# KiCad board AmigaPCI Mainboard.kicad_pcb (continued)
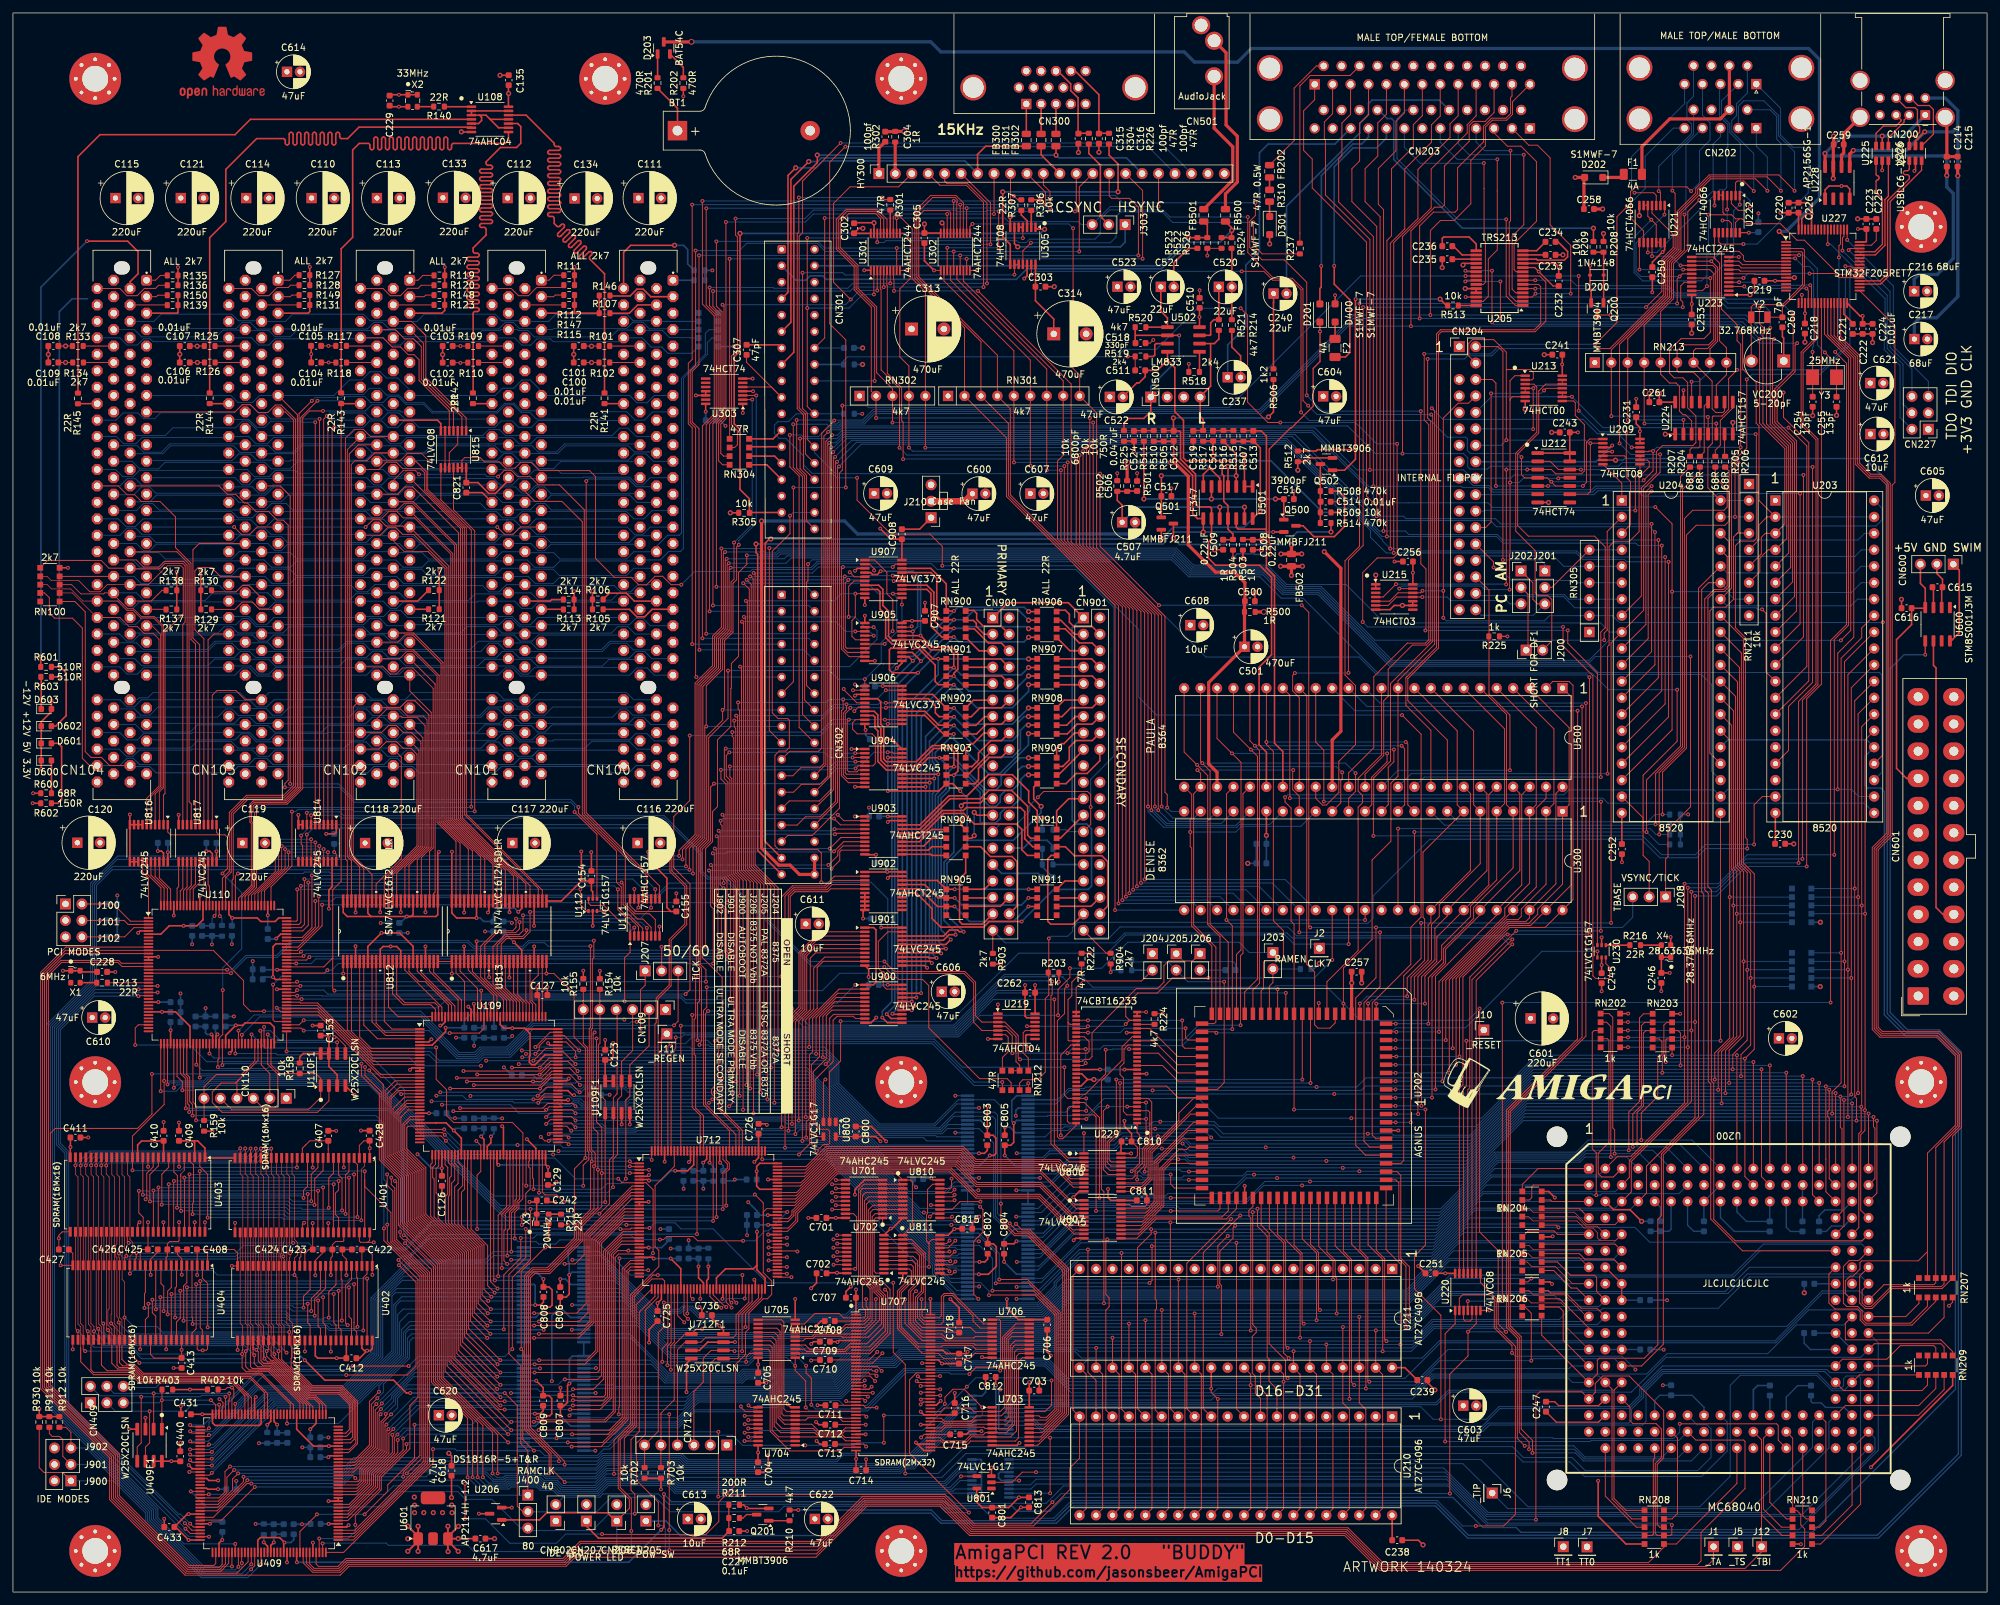
[diagram p0: board, top side]
## Routing (per net, layer and track width the routed paths; a pad name or vN(x,y) marks a point on that pad's centre or on a via; arc(x,y) is an arc through that point) (continued)
/IDE Interface/_CS0S: length 17.6
  Top w0.25: RN910.5 160.3,113.75 159.78,113.23 159.78,103.57 160.21,103.14 163.7,103.14 CN901.37
/IDE Interface/_CS1P: length 17.4
  Top w0.25: RN904.6 149.41,115.09 150.92,113.58 154.24,113.58 155.02,112.8 155.02,105.92 CN900.38
/IDE Interface/_CS1S: length 17.4
  Top w0.25: CN901.38 169.03,105.93 169.03,112.79 168.12,113.7 163.88,113.7 162.49,115.09 RN910.6
/IDE Interface/_DIORP: length 8.1
  Top w0.25: CN900.25 148.85,119.96 v1(148.42,120.39) ; RN904.7 148.03,116.41 v1(148.42,116.8)
  Bottom w0.25: v1(148.42,116.8) v1(148.42,120.39)
/IDE Interface/_DIORS: length 5.6
  Top w0.25: RN910.7 161.73,116.41 CN901.25
/IDE Interface/_DIOWP: length 9.3
  Top w0.25: CN900.23 150.02,122.5 149.38,121.86 146.87,121.86 v1(146.42,121.41) ; v1(146.42,119.28) 146.42,118.43 RN904.8
  Bottom w0.25: v1(146.42,119.28) v1(146.42,121.41)
/IDE Interface/_DIOWS: length 7.8
  Top w0.25: CN901.23 163.01,122.5 161.14,120.63 RN910.8
/IDE Interface/_RSTIDE: length 95.2
  Top w0.25: CN900.1 153.61,152.77 162.95,152.77 CN901.1 ; v2(155.74,103.54) 150.74,103.54 149.89,102.69 145.37,102.69 145.36,102.68 143.24,102.68 141.9,104.02 141.9,105.54 139.5,107.94 U902.15
  Bottom w0.25: v2(155.74,103.54) 160.69,108.5 166.03,108.5 166.03,108.51 166.53,109.01 166.53,117.83 165.77,118.59 164.13,118.59 163.54,119.19 163.54,148.88 165.1,150.44
/IDE Interface/DA0A: length 22.7
  Top w0.25: v2(145.4,107.18) RN905.2 142.84,107.18 140.78,109.24 U902.17 ; v2(156.79,107.18) RN911.2
  Bottom w0.25: v2(145.4,107.18) 146.5,106.08 155.69,106.08 v2(156.79,107.18)
/IDE Interface/DA0AP: length 4.1
  Top w0.25: RN905.7 151.2,107.18
/IDE Interface/DA0AS: length 4.1
  Top w0.25: RN911.7 165.2,107.18
/IDE Interface/DA1A: length 21.5
  Top w0.25: U902.18 142.73,109.89 RN905.1 v2(145.41,108.52) ; v2(156.82,108.52) RN911.1
  Bottom w0.25: v2(145.41,108.52) v2(156.82,108.52)
/IDE Interface/DA1AP: length 4.7
  Top w0.25: RN905.8 150,108.52 CN900.33
/IDE Interface/DA1AS: length 4.7
  Top w0.25: RN911.8 162.43,109.8 CN901.33
/IDE Interface/DA2A: length 23.9
  Top w0.25: U902.16 140.02,108.59 142.75,105.86 RN905.3 v2(145.39,105.86) ; v2(156.79,105.86) RN911.3
  Bottom w0.25: v2(145.39,105.86) 147.7,103.54 154.48,103.54 v2(156.79,105.86)
/IDE Interface/DA2AP: length 7.3
  Top w0.25: 147.13,105.89 152.45,105.89 CN900.36
/IDE Interface/DA2AS: length 7.2
  Top w0.25: 161.18,105.89 166.45,105.89 CN901.36
/IDE Interface/DD0A: length 5.5
  Top w0.25: 151.26,130.01 147.4,126.15
/IDE Interface/DD0B: length 5.5
  Top w0.25: 165.28,130.03 161.42,126.17
/IDE Interface/DD1A: length 6.6
  Top w0.25: 151.26,132.64 149.9,132.64 148.25,130.99 147.87,130.99 147.12,130.24 147.12,128.81
/IDE Interface/DD1B: length 6.6
  Top w0.25: RN909.8 161.14,130.26 161.89,131.01 162.27,131.01 163.92,132.66 CN901.15
/IDE Interface/DD2A: length 4.7
  Top w0.25: 151.26,135.18 150.02,135.18 148.68,133.84 147.08,133.84
/IDE Interface/DD2B: length 4.7
  Top w0.25: 161.1,133.86 162.7,133.86 164.04,135.2 CN901.13
/IDE Interface/DD3A: length 4.7
  Top w0.25: 147.08,136.5 148.3,137.72 151.26,137.72
/IDE Interface/DD3B: length 4.7
  Top w0.25: CN901.11 162.32,137.74 161.1,136.52
/IDE Interface/DD4A: length 4
  Top w0.25: 147.12,140.08 151.08,140.08
/IDE Interface/DD4B: length 4
  Top w0.25: 161.14,140.1 165.1,140.1
/IDE Interface/DD5A: length 4.1
  Top w0.25: 151.26,142.8 147.18,142.8
/IDE Interface/DD5B: length 4.1
  Top w0.25: CN901.7 161.2,142.82
/IDE Interface/DD6A: length 5
  Top w0.25: 147.12,147.38 149.17,145.34 151.26,145.34
/IDE Interface/DD6B: length 5
  Top w0.25: CN901.5 163.19,145.36 RN906.5
/IDE Interface/DD7A: length 5.3
  Top w0.25: 147.12,150.04 148.29,150.04 148.74,149.59 148.74,149.12 149.96,147.9 CN900.3
/IDE Interface/DD7B: length 5
  Top w0.25: RN906.7 161.78,150.06 163.94,147.9 CN901.3
/IDE Interface/DD8A: length 8.6
  Top w0.25: 147.34,151.59 148.32,151.59 148.8,151.11 148.8,150.17 149.82,149.15 152.57,149.15 CN900.4
/IDE Interface/DD8B: length 8.7
  Top w0.25: 161.36,151.61 162.49,151.61 163.11,150.99 163.11,149.77 163.81,149.07 166.64,149.07 CN901.4
/IDE Interface/DD9A: length 8.1
  Top w0.25: 147.12,148.72 148.44,148.72 150.62,146.54 152.6,146.54 153.8,145.34
/IDE Interface/DD9B: length 8.1
  Top w0.25: CN901.6 166.62,146.56 164.64,146.56 162.46,148.74 RN906.6
/IDE Interface/DD10A: length 7.2
  Top w0.25: 153.8,142.8 152.52,144.08 147.12,144.08
/IDE Interface/DD10B: length 7.2
  Top w0.25: 161.14,144.1 166.54,144.1 CN901.8
/IDE Interface/DD11A: length 7.2
  Top w0.25: CN900.10 152.64,141.45 147.12,141.45
/IDE Interface/DD11B: length 7.2
  Top w0.25: 161.15,141.45 166.64,141.45 CN901.10
/IDE Interface/DD12A: length 7.8
  Top w0.25: 147.08,135.16 147.94,135.16 149.32,136.54 152.62,136.54 153.8,137.72
/IDE Interface/DD12B: length 7.8
  Top w0.25: CN901.12 166.64,136.56 163.35,136.56 161.96,135.18 161.1,135.18
/IDE Interface/DD13A: length 7.8
  Top w0.25: 153.8,135.18 152.62,134 150.27,134 148.77,132.5 147.08,132.5
/IDE Interface/DD13B: length 7.8
  Top w0.25: CN901.14 166.64,134.02 164.3,134.02 162.79,132.52 161.1,132.52
/IDE Interface/DD14A: length 9.5
  Top w0.25: 153.8,132.64 152.62,131.46 150.96,131.46 149.07,129.58 149.07,128.46 148.09,127.48 148.04,127.48 148.04,127.47 147.12,127.47
/IDE Interface/DD14B: length 10
  Top w0.25: CN901.16 166.64,131.48 164.12,131.48 163.09,130.46 163.09,128.48 162.11,127.5 162.06,127.5 162.06,127.49 RN909.7
/IDE Interface/DD15A: length 10
  Top w0.25: CN900.18 152.57,128.87 150.75,128.87 149.08,127.2 149.08,125.39 148.5,124.81 147.12,124.81
/IDE Interface/DD15B: length 9.9
  Top w0.25: RN909.5 162.59,124.83 164.17,126.41 165.85,126.41 167.82,128.38 CN901.18
/IDE Interface/IDED0: length 99.2
  Top w0.25: v2(136.45,142.66) 137.25,143.45 U905.11 ; v2(145.29,151.49) 144.11,151.49 ; RN906.1 v1(156.81,151.4) ; U900.11 135.03,87.91 v2(134.23,88.71) ; U907.18 141.72,158.07 144.1,155.69 RN900.1
  Bottom w0.25: v1(156.81,151.4) 156.14,152.07 145.87,152.07 v2(145.29,151.49) 142.69,148.88 142.69,148.17 138.99,144.48 138.28,144.48 v2(136.45,142.66) 135.7,141.9 135.7,91.16 134.23,89.69 v2(134.23,88.71)
/IDE Interface/IDED1: length 96.4
  Top w0.25: v2(140.2,143.74) 138.86,145.09 U905.13 ; U907.14 141.11,155.47 142.19,154.39 142.19,150.03 143.4,148.82 RN900.3 v2(145.28,148.82) ; U900.13 135.89,89.21 v2(135.79,89.31) ; 158.14,148.76 v1(156.81,148.76)
  Bottom w0.25: 136.6,92.84 136.6,90.12 v2(135.79,89.31) ; 136.6,92.84 136.6,92.54 136.6,93.75 ; 136.6,92.84 136.6,93.75 ; 136.6,93.75 136.6,140.14 v2(140.2,143.74) v2(145.28,148.82) 147.51,148.82 147.77,149.07 156.5,149.07 v1(156.81,148.76)
/IDE Interface/IDED2: length 94.4
  Top w0.25: U907.8 133.51,154.82 133.87,154.46 133.87,151.8 134.74,150.93 134.74,147.39 135.74,146.39 U905.15 139.78,146.39 142.07,144.1 v2(142.86,144.1) RN901.1 ; U900.15 v2(139.21,90.51) ; 158.14,144.09 v1(156.81,144.09)
  Bottom w0.25: v1(156.81,144.09) 142.87,144.09 v2(142.86,144.1) 142.86,141.68 138.05,136.87 138.05,90.93 138.47,90.51 v2(139.21,90.51)
/IDE Interface/IDED3: length 102
  Top w0.25: U907.4 132.41,157.42 132.71,157.12 133.45,157.12 v2(133.96,157.63) ; 158.14,141.45 v1(156.81,141.45) ; U905.17 v2(140.13,147.69) 141.89,145.94 144.9,145.94 145.89,144.94 145.89,142.5 145.27,141.88 v2(145.27,141.44) RN901.3 ; U900.17 v2(139.5,91.81)
  Bottom w0.25: v1(156.81,141.45) 154.46,139.1 147.61,139.1 v2(145.27,141.44) 139.5,135.67 139.5,93.29 v2(139.5,91.81) ; v2(133.96,157.63) 138.99,157.63 140.13,156.49 v2(140.13,147.69)
/IDE Interface/IDED4: length 75.6
  Top w0.25: U906.17 141.34,137.96 142.41,136.89 142.41,135.77 143,135.18 RN902.2 ; U901.12 141.59,97.4 v2(141.87,97.12) ; v2(145.29,135.15) 144.1,135.15 ; v2(141.54,124.98) 141.53,124.98 U904.12 ; 158.13,135.19 v1(156.79,135.19)
  Bottom w0.25: v1(156.79,135.19) 156.11,135.19 155.1,134.18 155.1,132.28 154.31,131.48 148.95,131.48 v2(145.29,135.15) 141.51,131.38 141.51,97.47 v2(141.87,97.12)
/IDE Interface/IDED5: length 76.1
  Top w0.25: U904.14 142.87,126.28 v2(142.87,126.28) ; U901.14 143.25,98.7 v2(143.33,98.62) ; v2(145.27,132.49) 144.1,132.49 ; 158.13,132.55 v1(156.79,132.55) ; U906.13 140.81,135.36 143.65,132.52 RN902.4
  Bottom w0.25: v1(156.79,132.55) 156.79,130.79 152.4,126.41 150.56,126.41 145.27,131.7 v2(145.27,132.49) 142.42,129.63 142.42,128.5 142.87,128.04 v2(142.87,126.28) 142.87,123.5 142.42,123.05 142.42,99.53 v2(143.33,98.62)
/IDE Interface/IDED6: length 82.4
  Top w0.25: v2(144.8,100.76) 144.04,100 U901.16 ; 144.09,127.46 v2(145.28,127.46) 145.28,129.75 144.78,130.25 142.14,130.25 139.47,127.58 U904.16 134.86,127.58 134,128.43 134,133.35 133.54,133.81 133.54,135.45 132.98,136.01 U906.7 ; 158.14,127.49 v1(156.8,127.49)
  Bottom w0.25: v1(156.8,127.49) 155.82,127.49 155.18,126.85 155.18,124.7 154.24,123.76 153.23,123.76 152.45,122.98 152.45,122.01 151.77,121.32 150.79,121.32 149.79,122.32 149.79,123.66 145.99,127.46 v2(145.28,127.46) 144.55,126.72 144.55,123.84 143.31,122.61 143.31,102.24 v2(144.8,100.76)
/IDE Interface/IDED7: length 87.6
  Top w0.25: v2(146.26,123.67) 145.11,124.83 RN903.4 142.97,123.7 v2(135.08,123.7) ; v2(146.79,101.97) 146.12,101.97 145.86,102.23 144.61,102.23 143.68,101.3 U901.18 ; v2(130.01,138.41) 130.2,138.61 U906.3 ; RN909.4 157.61,124.29 157.61,122.45 v1(158.74,121.32) ; v2(135.08,128.88) 137.25,128.88
  In2.Cu w0.25: v2(130.01,138.41) 130.96,137.46 130.96,130.89 132.98,128.88 v2(135.08,128.88)
  Bottom w0.25: v2(135.08,123.7) v2(135.08,128.88) ; v2(146.26,123.67) 147.33,122.61 147.33,116.96 ; 147.33,116.96 147.33,115.64 144.21,112.52 144.21,104.54 v2(146.79,101.97) ; 147.33,116.96 147.33,116.19 147.44,116.08 154.45,116.08 158.74,120.37 v1(158.74,121.32)
/IDE Interface/IDED8: length 88.2
  Top w0.25: U906.4 133.49,137.96 133.99,137.46 133.99,134 134.45,133.54 134.45,128.62 134.84,128.23 U904.17 139.49,128.23 141.96,130.7 144.97,130.7 145.9,129.76 145.9,126.77 v2(145.27,126.14) 144.09,126.14 ; v2(145.54,101.51) 144.52,101.51 143.66,100.65 U901.17 ; 158.14,126.18 v1(156.8,126.18)
  Bottom w0.25: v2(145.54,101.51) 145.54,101.93 143.76,103.71 143.76,112.71 145.27,114.22 v2(145.27,126.14) 146.68,126.14 149.34,123.47 149.34,118.95 149.5,118.78 151.77,118.78 152.45,119.47 152.45,120.26 153.35,121.15 154.13,121.15 155.63,122.65 155.63,125.52 156.29,126.18 v1(156.8,126.18)
/IDE Interface/IDED9: length 79.3
  Top w0.25: v2(144.05,99.34) 144.04,99.35 U901.15 ; v2(143.04,128.83) RN903.1 141.36,128.83 139.46,126.93 U904.15 134.87,126.93 133.55,128.25 133.55,132.96 133.09,133.42 133.09,135.12 132.85,135.36 U906.8 ; 158.14,128.82 v1(156.8,128.82)
  Bottom w0.25: v2(144.05,99.34) 142.87,100.52 142.87,122.8 144.1,124.03 144.1,127.77 v2(143.04,128.83) 145.26,128.83 150.23,123.86 151.77,123.86 152.59,124.69 152.59,125.95 155.45,128.82 v1(156.8,128.82)
/IDE Interface/IDED10: length 75.7
  Top w0.25: U904.13 142.24,125.63 v2(142.25,125.63) ; U901.13 141.34,98.05 141.48,97.91 v2(142.6,97.91) ; RN902.3 142.95,133.86 140.8,136.01 U906.14 ; v2(145.28,133.83) 144.1,133.83 ; 158.13,133.88 v1(156.79,133.88)
  Bottom w0.25: v2(142.6,97.91) 141.96,98.55 141.96,123.29 142.25,123.57 v2(142.25,125.63) 142.25,127.95 141.96,128.23 141.96,130.51 v2(145.28,133.83) 150.17,128.94 154.31,128.94 155.55,130.19 155.55,133.06 156.37,133.88 v1(156.79,133.88)
/IDE Interface/IDED11: length 73.5
  Top w0.25: v2(140.89,124.34) 140.88,124.33 U904.11 ; v2(141.15,96.4) 140.8,96.75 U901.11 ; 158.13,136.52 v1(156.79,136.52) ; U906.18 142.01,138.61 RN902.1 ; v2(145.29,136.5) 144.11,136.5
  Bottom w0.25: v2(141.15,96.4) 140.91,96.64 140.91,132.12 v2(145.29,136.5) 147.76,134.02 154.31,134.02 156.79,136.51 v1(156.79,136.52)
/IDE Interface/IDED12: length 104.6
  Top w0.25: v2(138.95,145.76) 139.77,145.76 142.39,143.14 142.39,140.6 142.89,140.1 RN901.4 v2(145.27,140.1) ; v2(138.94,148.34) 138.94,148.34 U905.18 ; U907.3 130.38,158.07 v2(130.01,157.7) ; U900.18 140.2,92.46 v2(140.22,92.48) ; 158.14,140.12 v1(156.81,140.12)
  In2.Cu w0.25: v2(138.94,156.8) 136.84,158.9 131.21,158.9 v2(130.01,157.7)
  Bottom w0.25: v2(138.95,145.76) 138.95,148.33 v2(138.94,148.34) 139.68,149.08 139.68,156.05 v2(138.94,156.8) ; v2(140.22,92.48) 140.23,92.48 140.23,135.05 v2(145.27,140.1) 148.81,136.56 154.31,136.56 156.81,139.07 v1(156.81,140.12)
/IDE Interface/IDED13: length 94.8
  Top w0.25: v2(138.78,91.19) 138.75,91.16 U900.16 ; U907.7 133.67,155.47 134.32,154.82 134.32,152.34 135.19,151.47 135.19,147.57 135.72,147.04 U905.16 140.15,147.04 141.7,145.49 144.71,145.49 145.27,144.93 v2(145.27,142.76) RN901.2 ; RN907.2 v1(156.81,142.76)
  Bottom w0.25: v2(138.78,91.19) 138.78,136.27 v2(145.27,142.76) 146.38,141.64 155.69,141.64 v1(156.81,142.76)
/IDE Interface/IDED14: length 100.5
  Top w0.25: v2(138.77,89.84) 138.75,89.86 U900.14 ; v2(145.27,147.48) RN900.4 143.4,147.48 141.74,149.14 141.74,154.2 141.12,154.82 U907.13 ; 158.14,147.43 v1(156.81,147.43) ; v2(139.74,141.95) 135.78,141.95 135.32,142.41 135.32,145.52 135.54,145.74 U905.14
  Bottom w0.25: v1(156.81,147.43) 156.11,146.72 146.02,146.72 v2(145.27,147.48) v2(139.74,141.95) 137.33,139.54 137.33,91 138.49,89.84 v2(138.77,89.84)
/IDE Interface/IDED15: length 98.3
  Top w0.25: U900.12 135.58,88.56 v2(134.91,89.23) ; v2(138.94,143.79) 138.29,144.44 U905.12 ; U907.17 141.73,157.42 142.64,156.51 142.64,150.72 143.22,150.14 RN900.2 v2(145.29,150.14) ; 158.14,150.07 v1(156.81,150.07)
  Bottom w0.25: v2(134.91,89.23) 134.91,89.31 136.15,90.56 136.15,141 v2(138.94,143.79) v2(145.29,150.14) 146.91,150.14 148.39,151.62 155.26,151.62 v1(156.81,150.07)
/IDE Interface/INTRQ: length 5
  Bottom w0.25: 160.59,110.34 158.94,111.99 158.94,114.67
/IDE Interface/IRDY: length 185.9
  Top w0.15: v2(103.2,155.55) 101.61,155.55 100.31,156.85 99.14,156.85 97.81,155.52 96.63,155.52 95.46,156.69 92.87,156.69 89.95,159.61 89.95,172.24 89.02,173.17 81.29,173.17 80,174.46 78.43,174.46 77.52,173.55 76.06,173.55 75.08,174.53 72.78,174.53 72.14,175.17 69.73,175.17 69.32,174.76 U815.13 ; CN901.27 166.4,118.54 v2(166.4,121.22) 166.4,123.13 165.92,123.62 159.14,123.62 v2(158.23,122.72)
  Top w0.25: U815.12 U815.13
  Bottom w0.15: CN901.27 162.92,117.42 162.63,117.71 160.59,117.71 ; v2(166.4,121.22) 166.4,125.51 170,129.1 170,152.02 164.11,157.91 142.71,157.91 141.82,158.8 124.28,158.8 123.39,157.91 114.17,157.91 113.84,157.58 105.23,157.58 v2(103.2,155.55) ; CN900.27 152.4,118.54 154.94,118.54 156.99,120.6 156.99,121.47 v2(158.23,122.72)
/Master Control/AUTOBOOT: length 51
  Top w0.15: J901.1 7.66,18.46 4.8,18.46 4.06,19.2 R930.1 ; v2(38.31,4.29) U409.124
  Bottom w0.15: v2(38.31,4.29) 36.25,2.22 29.09,2.22 20.5,10.81 20.5,12.18 15.51,17.17 J901.1
/Master Control/U409_CRESET: length 24.2
  Top w0.15: R402.2 32.77,31.27 33.09,31.59 v2(33.82,31.59) 34.1,31.31 34.1,30.09 33.81,29.8 U409.66
  Bottom w0.15: v2(33.82,31.59) 32.71,32.7 29.78,32.7 29.74,32.66 23.15,32.66 22.08,31.59 17.22,31.59
/Master Control/U409_SCK: length 27.7
  Top w0.15: v2(21.1,27.92) 21.1,23.03 20.46,22.38 U409F1.6 ; v2(31.84,28.94) 31.84,27.48
  Bottom w0.15: CN409.3 15.81,27.92 v2(21.1,27.92) 26.62,27.92 27.64,28.94 v2(31.84,28.94)
/Master Control/U409_SDI: length 34.5
  Top w0.15: v2(19.8,30.15) 19.8,23.02 19.19,22.4 U409F1.5 ; 32.81,30.06 U409.68
  Bottom w0.15: v2(32.82,30.15) 32.59,30.38 29.15,30.38 28.92,30.15 v2(19.8,30.15) 19.65,30.31 13.43,30.31 CN409.2
/Master Control/U409_SDO: length 28.1
  Top w0.15: U409.67 33.31,29.56 33.4,29.64 v2(33.4,30.66) ; v2(21.73,30.68) 21.72,30.68 U409F1.2
  Bottom w0.15: v2(33.4,30.66) 33.38,30.68 v2(21.73,30.68) 15.59,30.68 CN409.4
/Master Control/U409_SS: length 22.3
  Top w0.15: U409.71 31.31,28.87 v2(30.55,29.63) ; R403.2 23.01,29.65 v2(22.99,29.63) 23,29.62 U409F1.1
  Bottom w0.15: v2(30.55,29.63) v2(22.99,29.63) 22.59,29.23 CN409.5
/Master Control/ULTRA_P: length 46.8
  Top w0.15: R911.1 5.62,24.47 6.06,24.03 7.21,24.03 7.7,23.54 7.7,20.96 J901.3 ; 37.32,6.11 37.32,4.06 v2(36.78,3.51)
  Bottom w0.15: v2(36.78,3.51) 35.79,2.52 29.21,2.52 20.8,10.93 20.8,12.3 13.4,19.71 J901.3
/Master Control/ULTRA_S: length 43.7
  Top w0.15: U409.121 36.81,4.29 v2(36.8,4.28) ; R912.1 8.17,25.44 8.95,24.66 J901.5
  Bottom w0.15: J901.5 11.28,22.25 21.1,12.43 21.1,11.05 29.33,2.82 35.34,2.82 v2(36.8,4.28)
/PCI Bridge/J100: length 12.4
  Top w0.15: U110.2 18.14,103.59 15.48,106.25 v2(13.43,106.25) JPCI1.2
  Bottom w0.15: R151.2 v2(13.43,106.25)
/PCI Bridge/J101: length 11.6
  Top w0.15: U110.3 17.79,103.09 17.17,103.71 v2(13.43,103.71) JPCI1.4
  Bottom w0.15: R152.2 v2(13.43,103.71)
/PCI Bridge/J102: length 11.9
  Top w0.15: JPCI1.6 v2(13.44,101.17) 17.25,101.17 18.67,102.59 U110.4
  Bottom w0.15: R153.2 13.45,101.16 v2(13.44,101.17)
/PCI Bridge/U109_CRESET: length 44.7
  Top w0.15: U109.66 79.23,62.75 v2(79.24,62.74) ; R155.2 CN109.6 88.06,84.71 88.69,84.08 88.69,68.12 88.91,67.9 88.91,66.77 88.05,65.91 v2(88.05,62.74)
  Bottom w0.15: v2(79.24,62.74) 79.25,62.74 v2(88.05,62.74)
/PCI Bridge/U109_SCK: length 46.3
  Top w0.15: CN109.3 95.68,83.61 93.97,81.91 U109F1.6 93.97,76.64 93.35,76.02 93.35,67.56 92.65,66.85 v2(92.65,62.52) ; U109.70 81.23,61.68 v2(81.22,61.67)
  Bottom w0.15: v2(92.65,62.52) 91.79,61.67 v2(81.22,61.67)
/PCI Bridge/U109_SDI: length 47.9
  Top w0.15: CN109.2 98.22,84.36 95.25,81.38 U109F1.5 95.25,76.6 94.63,75.99 v2(94.63,63.82) ; U109.68 80.23,63.92 80.37,63.78 v2(80.37,62.2)
  Bottom w0.15: v2(80.37,62.2) 90.87,62.2 91.74,63.07 93.88,63.07 v2(94.63,63.82)
/PCI Bridge/U109_SDO: length 53.4
  Top w0.15: U109.67 79.73,66.59 79.64,66.5 79.64,65.65 79.85,65.44 79.85,62.22 79.18,61.55 v2(79.18,58.42) ; v2(90.55,58.43) 92.09,59.96 92.09,66.72 92.71,67.33 U109F1.2 92.71,76.36 93.28,76.94 93.28,89.8
  Bottom w0.15: v2(79.18,58.42) 87.12,58.42 87.13,58.43 v2(90.55,58.43)
/PCI Bridge/U109_SS: length 49.5
  Top w0.15: v2(91.45,60.2) 91.44,60.22 U109F1.1 91.44,75.95 90.4,76.99 90.4,84.5 90.63,84.74 90.63,89.91 ; v2(85.06,60.2) 83.94,61.33 82.15,61.33 81.75,61.74 81.75,67.51 ; CN109.5 90.6,93.06
  Bottom w0.15: v2(85.06,60.2) v2(91.45,60.2)
/PCI Bridge/U409_CRESET: length 17.4
  Top w0.15: U110.66 37.34,82 35.26,79.92 31.39,79.92 29.5,78.03 CN110.6 ; R159.2 29.51,76.23
/PCI Bridge/U409_SCK: length 29
  Top w0.15: 50.06,83.16 50.06,84.88 v2(50.05,84.89) ; v2(39.34,86.11) U110.70 39.34,81.51 40.89,79.96 40.89,75.27 40.39,74.77 38.59,74.77 CN110.3
  Bottom w0.15: v2(50.05,84.89) 40.56,84.89 v2(39.34,86.11)
/PCI Bridge/U409_SDI: length 26.8
  Top w0.15: v2(38.19,86.68) 38.34,86.53 U110.68 38.34,81.4 39.66,80.08 CN110.2 ; 51.32,83.16 51.32,84.36 49.98,85.7 v2(49.65,85.7)
  Bottom w0.15: v2(38.19,86.68) 39.77,86.68 41.26,85.19 49.14,85.19 v2(49.65,85.7)
/PCI Bridge/U409_SDO: length 38.1
  Top w0.15: U110F1.2 48.78,75.85 47.01,74.08 32.29,74.08 30.77,75.6 30.77,77.21 32.15,78.59 34.35,78.59 34.91,79.16 ; 34.91,79.16 37.84,82.08 U110.67 ; 34.91,79.16 34.58,78.82 CN110.4
/PCI Bridge/U409_SS: length 31.7
  Top w0.15: CN110.5 33.81,74.47 45.6,74.47 47.51,76.38 U110F1.1 47.51,79.32 46.79,80.05 R158.2 41.22,80.05 39.84,81.43 U110.71
/PCI Bus/_ACK64: length 116.4
  Top w0.15: CN104.B60 11.84,127.62 10.71,128.75 10.71,148.86 9.19,150.38 6.43,150.38 5.62,151.19 5.62,153.54 4.88,154.28 RN100.9
  Bottom w0.15: 74.11,127.78 77.29,127.78 78.25,128.74 80.16,128.74 81.12,127.78 94.1,127.78 ; 53.8,127.78 57.3,127.78 58.26,128.74 59.34,128.74 60.3,127.78 73.79,127.78 ; CN104.B60 16.51,127.62 17.62,128.74 18.58,128.74 19.54,127.78 33.17,127.78 ; 53.48,127.78 40.14,127.78 39.18,128.74 37.37,128.74 36.41,127.78 33.47,127.78
/PCI Bus/_INTA: length 115.3
  Top w0.13: 61.04,196.21 61.56,196.21 63.37,194.4
  Top w0.15: U815.1 69.97,181.3 63.75,187.52 63.75,194.02 62.84,194.93 ; 63.65,194.12 63.37,194.4 ; 61.04,196.21 CN102.A6
  Bottom w0.13: 38.31,196.31 34.81,196.31 33.79,197.33 22.87,197.33 21.75,196.21 CN104.A6 ; 58.72,196.2 62.39,196.2 63.51,197.33 74.43,197.33 75.45,196.31 ; 58.62,196.31 55.12,196.31 54.1,197.33 43.18,197.33 42.06,196.21 38.39,196.21
  Bottom w0.15: CN100.A6 105.84,196.21 ; 78.95,196.31 75.45,196.31 ; 99.24,196.31 95.77,196.31 94.75,197.33 83.82,197.33 82.7,196.2 79.03,196.2
/PCI Bus/_INTB: length 116.7
  Top w0.15: U815.4 68.02,182.26 63.05,187.23 63.05,192.33 61.86,193.52 60.46,193.52 59.03,194.94 CN102.B7
  Bottom w0.13: RN101.7 104.63,193.65 104.56,193.72 101.37,193.72 100.26,194.83 96.94,194.83 ; 56.04,194.8 43.79,194.8 42.83,193.84 40.49,193.84 39.53,194.8 36.01,194.8 ; CN104.B7 18.73,194.94 19.86,193.82 31.39,193.82 32.45,194.88 35.8,194.88 ; 56.28,194.85 59.11,194.85 60.12,193.84 71.47,193.84 72.44,194.81 75.2,194.81 75.34,194.94 CN101.B7 77.91,194.94 78.07,194.79 79.51,194.79 80.49,193.81 92.32,193.81 92.32,193.82 93.38,194.88 96.76,194.88
/PCI Bus/_INTC: length 106.6
  Top w0.15: U815.2 69.32,181.46 63.4,187.38 63.4,192.81 CN102.A7
  Bottom w0.13: 20.79,195.11 34.47,195.11 35.41,196.05 36.64,196.05 37.66,195.03 40.86,195.03 ; 41.04,195.04 54.72,195.04 55.73,196.05 57.08,196.05 58.02,195.11 61.1,195.11 ; 81.44,195.09 78.19,195.09 77.23,196.05 76.02,196.05 75.01,195.04 61.36,195.04 ; 101.79,195.06 98.27,195.06 97.26,196.07 95.7,196.07 94.74,195.11 83.46,195.11 83.32,194.97 81.61,194.97
  Bottom w0.15: CN100.A7 105.84,194.94
/PCI Bus/_INTD: length 122.2
  Top w0.15: U815.5 67.37,182.42 62.7,187.09 62.7,190.3 61.93,191.07 61.02,191.07 59.83,192.26 58.56,192.26 57.15,193.67 CN102.B8
  Bottom w0.13: 73.95,193.66 77.45,193.66 78.57,192.55 79.94,192.55 79.94,192.56 80.89,193.51 83,193.51 83.44,193.07 93.67,193.07 94.27,193.66 ; CN103.B8 32.73,193.08 21.6,193.08 21.16,193.52 20.16,193.52 19.2,192.56 17.62,192.56 16.51,193.67 CN104.B8 ; 53.49,193.52 40.47,193.52 39.51,192.56 37.93,192.56 36.82,193.67 33.31,193.67 ; 53.64,193.66 57.14,193.66 58.26,192.55 59.84,192.55 60.8,193.51 61.79,193.51 62.23,193.07 73.36,193.07 73.96,193.66
  Bottom w0.15: RN101.6 104.81,191.29 101.13,191.29 100.17,192.25 98.56,192.25 97.13,193.67 CN100.B8
/PCI Bus/_REQ64: length 117.6
  Top w0.15: CN104.A60 14.93,127.62 13.67,128.88 12.05,128.88 11.16,129.77 11.16,151.36 9.56,152.96 RN100.1
  Bottom w0.15: 78.9,127.48 75.4,127.48 74.43,126.51 62.69,126.51 61.72,127.48 58.87,127.48 ; 38.26,127.48 34.76,127.48 33.79,126.51 22.09,126.51 21.12,127.48 18.23,127.48 ; 79.19,127.48 81,127.48 91.45,127.48 92.42,126.51 95.09,126.51 96.21,127.62 CN100.A60 ; 58.58,127.48 55.73,127.48 54.76,126.51 52.18,126.51 51.21,127.48 38.55,127.48
/PCI Bus/SMBCLK0: length 9.1
  Top w0.25: CN100.A40 95.93,153.02 94.71,154.25 92.09,154.25 R106.2
/PCI Bus/SMBCLK1: length 6
  Top w0.25: CN101.A40 82.96,153.02 83.19,153.26 R114.2
/PCI Bus/SMBCLK2: length 6.1
  Top w0.25: R122.2 62.49,153.02 CN102.A40
/PCI Bus/SMBCLK3: length 8.7
  Top w0.15: 38.4,153.48 36.46,155.42 35.41,155.42 34.44,154.45 30.9,154.45
/PCI Bus/SMBCLK4: length 6.2
  Top w0.15: R138.2 23.01,154.68 22.36,154.03 22.35,154.03 21.35,153.02 CN104.A40
/PCI Bus/SMBDAT0: length 11.7
  Top w0.25: CN100.A41 98.69,151.75 97.52,150.59 96.34,150.59 95.18,151.75 R105.2
/PCI Bus/SMBDAT1: length 3.4
  Top w0.25: CN101.A41 84.97,151.75
/PCI Bus/SMBDAT2: length 2.9
  Top w0.25: CN102.A41 64.16,151.75
/PCI Bus/SMBDAT3: length 11.2
  Top w0.15: R129.2 34.27,151.74 35.4,152.87 36.96,152.87 38.07,151.75 CN103.A41
/PCI Bus/SMBDAT4: length 3
  Top w0.15: CN104.A41 23.62,151.75
/PCI Bus/TDI0: length 7.7
  Top w0.25: 92.18,197.48 95.17,197.48 96.45,198.75 CN100.A4
/PCI Bus/TDI1: length 6
  Top w0.15: CN101.A4 85.04,198.75
/PCI Bus/TDI2: length 6.3
  Top w0.15: CN102.A4 65.01,198.75
/PCI Bus/TDI3: length 5.8
  Top w0.15: CN103.A4 44.16,198.75
/PCI Bus/TDI4: length 5.7
  Top w0.15: 23.79,198.75 CN104.A4
/PCI Bus/TMS0: length 10.6
  Top w0.25: 92.25,200.13 95.28,200.13 96.34,201.19 97.31,201.19 98.47,200.02 CN100.A3
/PCI Bus/TMS1: length 3.6
  Top w0.15: CN101.A3 83.47,200.02 83.73,200.28 R147.2
/PCI Bus/TMS2: length 3.9
  Top w0.15: CN102.A3 63.48,200.02 63.72,200.27 R148.2
/PCI Bus/TMS3: length 3.3
  Top w0.15: CN103.A3 42.82,200.02 43.06,200.27 R149.2
/PCI Bus/TMS4: length 3.3
  Top w0.15: R150.2 22.36,200.25 22.13,200.02 CN104.A3
/Power and Spares/_PS-ON: length 44.6
  Top w0.25: 296.52,146.97 296.52,143.09 296.92,142.7 296.92,105.71 297.99,104.64 CN601.16
/Power and Spares/PWRSW: length 352
  Top w0.2: 295.25,146.97 v2(295.25,144.74)
  Bottom w0.2: 103.86,8.72 126.97,8.72 130.42,12.18 141.72,12.18 143.27,10.63 161.1,10.63 163.77,13.3 219.63,13.3 224.6,8.33 288.03,8.33 300.82,21.12 300.82,83.42 297.42,86.82 292.53,86.82 289.84,89.5 289.84,142.59 291.99,144.74 v2(295.25,144.74)
  Bottom w0.25: 97.73,10.95 100.83,10.95 103.06,8.72 103.86,8.72
/Power and Spares/SWIM: length 12.9
  Top w0.25: 299.06,146.97 299.36,146.97 300.51,148.13 300.51,157.8 CN600.1
/Serial/AUDIOOUT: length 52.3
  Bottom w0.25: C237.1 187.55,192.58 190.36,195.38 190.36,204.89 192.46,207 192.46,222.25 193.8,223.59 204.1,223.59 CN203.36
/Serial/CD: length 99.1
  Top w0.15: v2(229.67,196.67) 229.66,196.69 v2(229.66,202.38) ; v2(271.91,193.47) 271.67,193.24 271.67,180.47 274.77,177.38 274.77,155.96 U203.7 ; v2(224.25,202.38) 224.44,202.57 U205.22
  Bottom w0.15: v2(271.91,193.47) 271.17,193.47 271.17,193.47 270.56,193.47 267.36,196.67 v2(229.67,196.67) ; v2(224.25,202.38) v2(229.66,202.38)
